# Altium PCB cheriot-test.PcbDoc (part 9 of 12)
Units mil, origin at the board's own origin, x right, y up, seen from the top; angles counter-clockwise.
Board outline 6629.92 x 3149.61 mil, 8 copper layers (Top Layer, Int1 (Sign), Int2 (GND), Int3 (Sign), Int4 (Sign), Int5 (PWR), Int6 (Sign), Bottom Layer), stack 60.424 mil thick; 496 components, 639 nets, 2898 pads, 1737 vias.
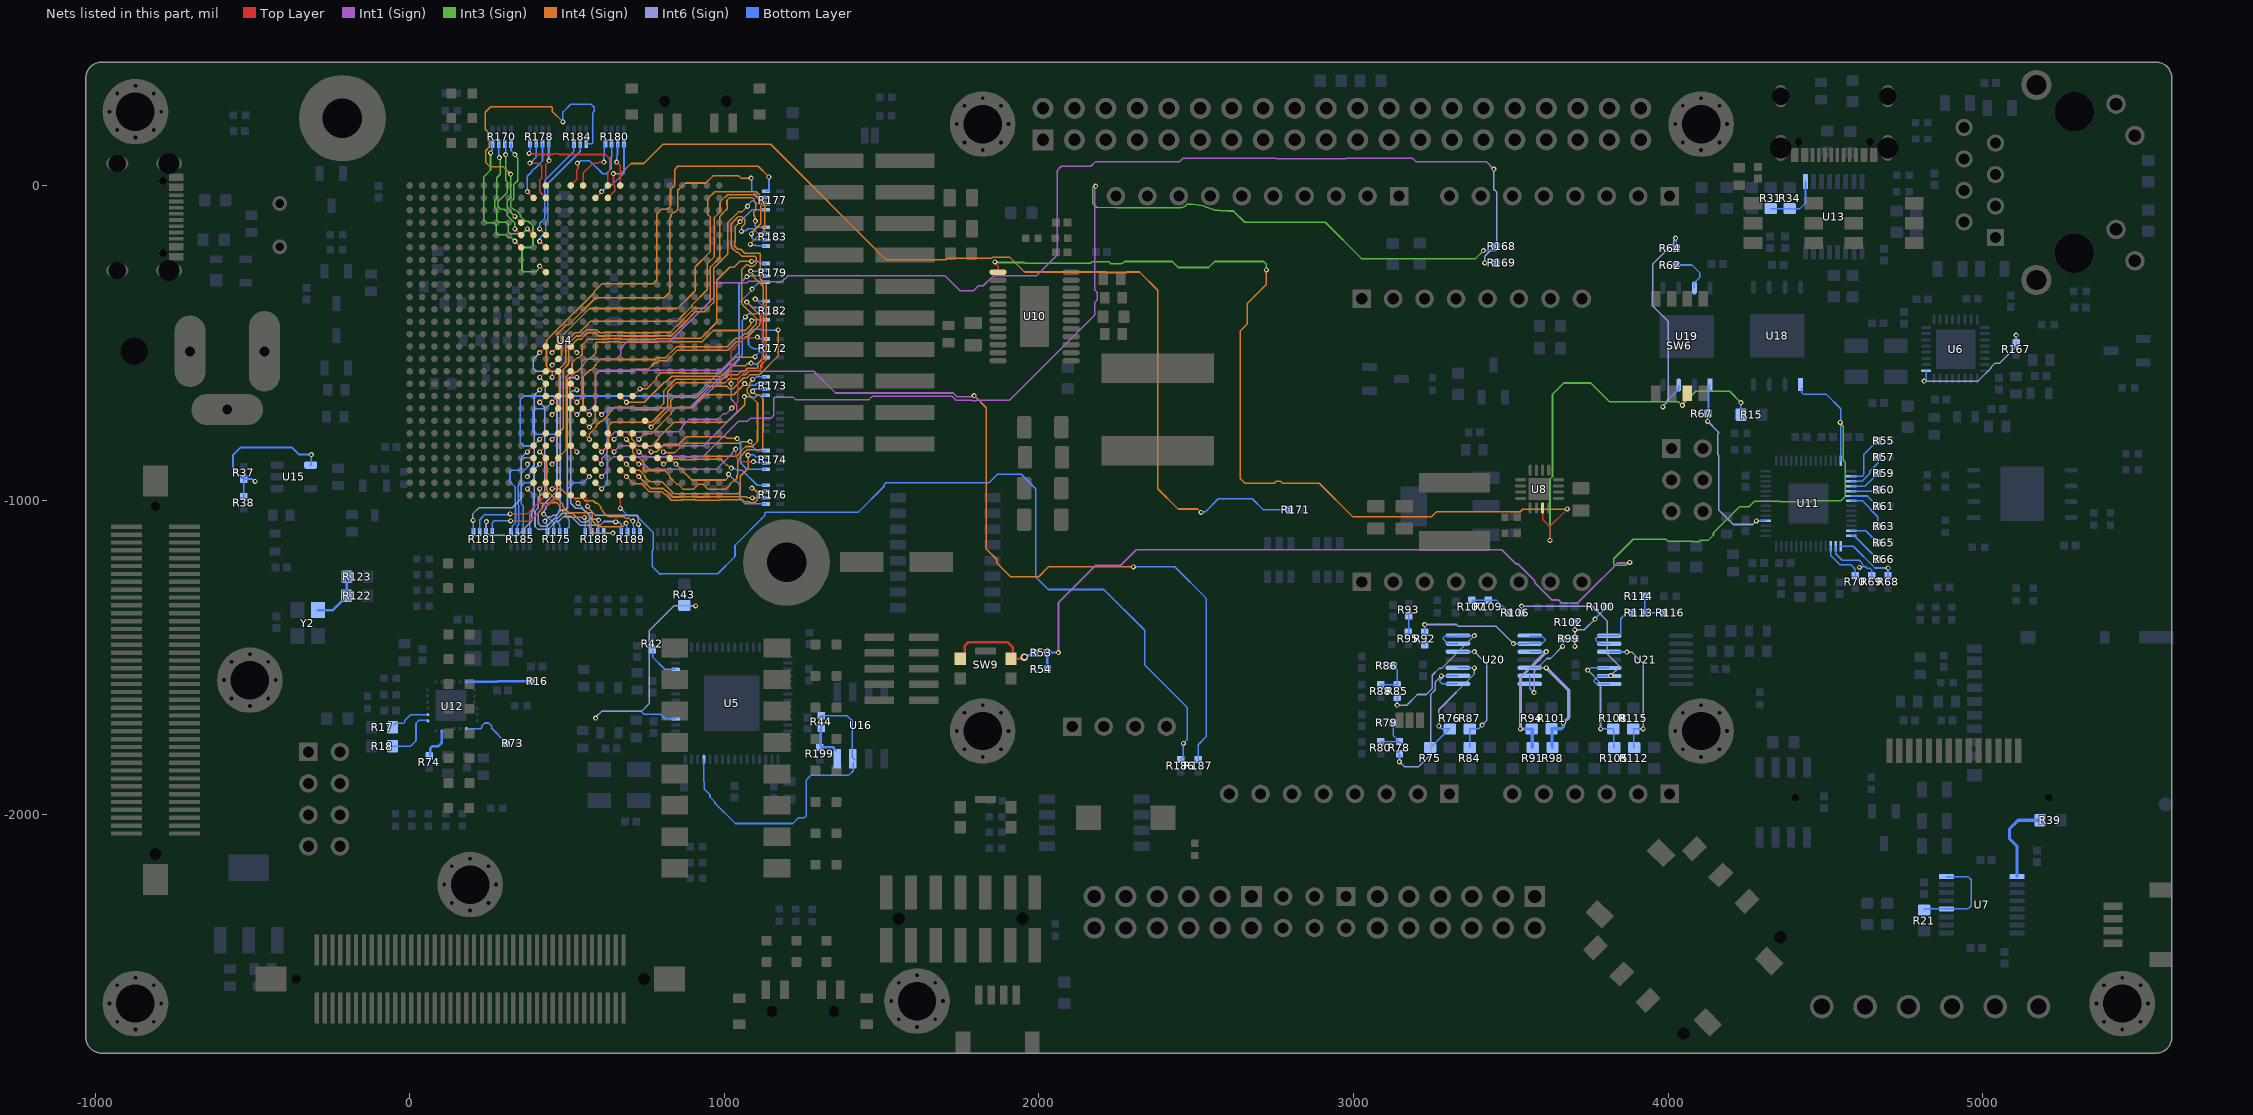
[diagram p15: the nets of this part, all layers, seen from the top]

## Via types
v1: diameter 16, hole 8, Top Layer to Bottom Layer, tented both sides, 1442 vias
v2: diameter 24, hole 12, Top Layer to Bottom Layer, tented both sides, 257 vias
v3: diameter 23.62, hole 11.81, Top Layer to Bottom Layer, tented both sides, 16 vias
v4: diameter 45, hole 20, Top Layer to Bottom Layer, 14 vias
v5: diameter 19.68, hole 8, Top Layer to Bottom Layer, 8 vias

## Nets (pads, with @x,y where several pads share a name; then routed paths per layer and width w, separated by ;. In a path a pad name is that pad's centre, name@x,y a point inside that pad or via, vN(x,y) a via of type N, cw(c..) or ccw(c..) an arc to the next point about the centre after c; other vN are vias at no path point) (continued)
NetR15_2: R15.2 SW6.3 U8.7 U10.1 | length 4155.7
  Top Layer w5: v1(1860,-243) 1860,-244.76 1870.08,-254.84 U10.1@1870.08,-275.59 ; U8.7@3600.83,-1024.96 3600.83,-1060.83 3624,-1084 ; 3624,-1110 3624,-1084 ; v1(3624.41,-1127.64) 3624.41,-1110 ; v1(3680,-1028) 3624,-1084 ; v1(4044.93,-698.49) 4044.93,-695.51 4048.52,-691.92 4048.52,-682.42 4051.02,-679.92 SW6.3@4060.98,-679.92
  Int3 (Sign) w5: v1(1860,-243) 1861.67,-244.67 1953.32,-244.67 1956.16,-247.5 2051.84,-247.5 2052.84,-246.5 2164.7,-246.5 2168.2,-243 2223.65,-243 2229.15,-248.5 2262.7,-248.5 2263.7,-247.5 2265.85,-247.5 2271.85,-241.5 2423.42,-241.5 2442.65,-260.73 2539.27,-260.73 2558.5,-241.5 2714.57,-241.5 2723,-249.93 v1(2723,-268) ; v1(3624.41,-1127.64) 3624.41,-933.24 3632.28,-925.36 3632.28,-663.72 3668,-628 ; 3668,-627.64 3753.7,-627.64 3814.06,-688 4033.5,-688 4043.98,-698.49 v1(4044.93,-698.49) ; v1@4044.93,-698 4044.93,-696.99 4087.6,-654.33 4195.39,-654.33 v1(4230.98,-689.92)
  Int4 (Sign) w5: v1(2723,-268) 2723,-313.92 2662,-374.92 2662,-440.58 2640,-462.58 2640,-931 2655,-946 2748.08,-946 2754.58,-939.5 2767.42,-939.5 2773.92,-946 2891,-946 2998.46,-1053.46 3246.82,-1053.46 3263.38,-1036.9 3530.12,-1036.9 3537.88,-1029.15 3671.15,-1029.15 3672,-1030 3678,-1030 v1(3680,-1028)
  Bottom Layer w5: v1(4230.98,-689.92) 4230.98,-727.6 R15.2@4231.81,-728.43
NetR16_1: R16.1 U12.24 | length 205.4
  Bottom Layer w8: U12.24@180.98,-1577.5 181.23,-1577.26 278.75,-1577.26 281.01,-1575 R16.1@385.32,-1575
NetR17_2: R17.2 U12.14 | length 124.4
  Bottom Layer w5: R17.2@-50,-1715 -44.37,-1709.37 -19.37,-1709.37 -15,-1705 -15,-1700 3.29,-1681.71 U12.14@57.66,-1681.71
NetR18_2: R18.2 U12.13 | length 175.6
  Bottom Layer w5: R18.2@-54.41,-1782.13 2.87,-1782.13 20,-1765 20,-1710 30,-1700 U12.13@55,-1700
NetR21_1: R21.1 U7.12 U7.16 | length 320.8
  Bottom Layer w5: R21.1@4813.39,-2302.83 4817.32,-2298.9 U7.12@4884.25,-2298.9 4953.15,-2298.9 4962.99,-2289.06 4962.99,-2206.38 4953.15,-2196.54 U7.16@4884.25,-2196.54
NetR31_2: R31.2 R34.2 U13.1 | length 185.7
  Bottom Layer w5: R31.2@4325.98,-73.39 R34.2@4385.98,-73.39 4411.71,-73.39 4418.67,-73.39 4436.42,-55.64 U13.1@4436.42,12.28
NetR37_2: R37.2 R38.1 U15.4 | length 486.7
  Bottom Layer w6: R38.1@-527.23,-988.6 R37.2@-527.23,-937 ; R37.2@-527,-937 -527,-933.71 R37.2@-527.23,-933.48 -561,-899.71 -561,-856 -538,-833 -373.2,-833 -350.96,-855.24 v1(-312.76,-855.24) -312.76,-886.41 U15.4@-314.87,-888.52 ; R37.2@-527,-933.48 -500.73,-933.48 -493.71,-940.5 v1(-491,-940.5)
NetR39_1: R39.1 U7.1 | length 269.2
  Bottom Layer w10: U7.1@5108.66,-2196.54 5108.66,-2100.08 5085.04,-2076.46 5085.04,-2044.96 5112.6,-2017.4 R39.1@5181.5,-2017.4
NetR42_1: R42.1 U5.14 | length 111.3
  Bottom Layer w5: R42.1@772,-1477 772,-1499 810.6,-1537.6 U5.14@845.35,-1537.6
NetR43_1: R43.1 U5.6 | length 913.9
  Int6 (Sign) w5: v1(591,-1693) 591,-1690.42 609.92,-1671.5 736.5,-1671.5 761,-1647 761,-1415 840,-1336 v1(909,-1336)
  Bottom Layer w5: v1(591,-1693) 591,-1690.42 609.92,-1671.5 735.69,-1671.5 744.44,-1680.25 797.58,-1680.25 812.4,-1695.08 U5.6@845.35,-1695.08 ; R43.1@873,-1334.46 874.54,-1336 907,-1336 v1@908,-1337
NetR44_1: R44.1 U5.61 U16.3 | length 1013
  Bottom Layer w5: U5.61@934.92,-1824.02 934.92,-1894.72 936.5,-1896.3 936.5,-1918.14 954.5,-1936.14 954.5,-1943.64 970.5,-1959.64 970.5,-1963.08 1035.24,-2027.82 1218.04,-2027.82 1236.86,-2009 1255.14,-2009 1261,-2003.14 1261,-1889 1275,-1875 1395,-1875 1410,-1860 U16.3@1410,-1835 ; R44.1@1308.66,-1685.34 1390.34,-1685.34 1406.63,-1701.63 1406.63,-1816.63 U16.3@1415,-1825
NetR44_2: R44.2 R199.2 U16.4 | length 111.6
  Bottom Layer w8: R44.2@1308.66,-1724.71 1306.08,-1727.28 1306.08,-1781.08 R199.2@1310,-1785 ; R199.2@1310,-1786.18 1346.18,-1786.18 U16.4@1355,-1795
NetR53_1: R53.1 R54.2 U11.56 U18.1 | length 3739.2
  Int1 (Sign) w6: v1(2062,-1485) 2062,-1326.85 2181.35,-1207.5 2260.35,-1207.5 2310.11,-1157.74 3470.46,-1157.74 3515.47,-1202.74 3521.88,-1202.74 3575.87,-1256.74 3575.87,-1262.88 3629.86,-1316.87 3650.25,-1316.87 3661.25,-1327.87 3710.72,-1327.87 3741.15,-1297.45 3741.53,-1297.45 3838.98,-1200 3875.65,-1200 v1(3877.88,-1197.76)
  Int3 (Sign) w5: v1@3878,-1197 3875.67,-1197 3865.67,-1207 3829.93,-1207 3827,-1204.07 3827,-1186.06 3889.06,-1124 3993,-1124 4000.39,-1131.39 4080.36,-1131.39 4080.9,-1131.93 4097.05,-1131.93 4101.99,-1127 4128,-1127 4144,-1111 4144,-1103.51 4226.48,-1021.03 4256.83,-1021.03 4274.93,-1002.93 4353.96,-1002.93 4356.49,-1005.46 4451.01,-1005.46 4454.47,-1002 4549,-1002 4563.48,-987.52 4563.48,-879.99 4556.56,-873.07 4556.56,-765.36 4547,-755.8 v1(4547,-753)
  Bottom Layer w5: U18.1@4423,-644 4424,-645 4424,-658.31 4428.69,-663 4502,-663 4548.35,-709.35 4548.35,-751.65 v1(4547,-753) ; U11.56@4548.35,-874.73 v1@4548.35,-753
  Bottom Layer w6: R53.1@2026.48,-1484.9 2061.9,-1484.9 v1(2062,-1485)
  Bottom Layer w8: R54.2@2025,-1542 2026.77,-1540.23 2026.77,-1485.2 R53.1@2026.48,-1484.9
NetR53_2: R53.2 SW9.1 SW9.2 | length 326.3
  Top Layer w8: SW9.1@1750,-1503.94 1763.72,-1490.22 1763.72,-1463.28 1776,-1451 1900,-1451 1917,-1468 1917,-1499 SW9.2@1916,-1500 ; SW9.2@1911.42,-1503.94 1949.06,-1503.94 v2(1954,-1499)
  Bottom Layer w8: v2@1955,-1498 1959.33,-1498 1964.62,-1492.71 1979.3,-1492.71 R53.2@1987.11,-1484.9
NetR55_2: R55.2 U11.2 | length 168.9
  Bottom Layer w5: U11.2@4581.81,-923.94 4616.96,-923.94 4620.98,-919.92 4620.98,-855.97 R55.2@4666.3,-810.65
NetR57_2: R57.2 U11.3 | length 131.9
  Bottom Layer w5: U11.3@4581.81,-939.69 4616.21,-939.69 4641.26,-914.65 4641.26,-907.48 4666.3,-882.44 R57.2@4666.3,-862.97
NetR59_2: R59.2 U11.4 | length 101.1
  Bottom Layer w5: U11.4@4581.81,-955.44 4626.15,-955.44 R59.2@4666.3,-915.29
NetR60_2: R60.2 U11.5 | length 85.7
  Bottom Layer w5: U11.5@4581.81,-971.19 4662.4,-971.19 R60.2@4665.98,-967.6
NetR61_2: R61.2 U11.6 | length 98.8
  Bottom Layer w5: U11.6@4581.81,-986.93 4634.56,-986.93 4634.56,-988.5 R61.2@4665.98,-1019.92
NetR62_2: R62.2 U19.7 | length 140.3
  Bottom Layer w5: R62.2@4025.67,-252.7 4075.48,-252.7 4100.98,-278.2 4100.98,-291.91 4083.51,-309.38 U19.7@4083.51,-325.37
NetR63_2: R63.2 U11.7 | length 136.9
  Bottom Layer w5: U11.7@4581.81,-1002.68 4618.75,-1002.68 4642.52,-1026.46 4642.52,-1029.3 4666.3,-1053.08 R63.2@4666.3,-1082.97
NetR64_2: R64.2 U19.3 | length 716.8
  Int6 (Sign) w5: v1(3983.48,-703.5) 3983.48,-700.97 3993.17,-691.27 3993.17,-687.74 4000.24,-680.67 4000.24,-432.17 3950.98,-382.92 3950.98,-249.8 4017.98,-182.8 4017.98,-175.7 4023.36,-170.32 v1(4023.36,-167.34)
  Bottom Layer w5: v1(3983.48,-703.5) 3983.48,-701.08 3993.23,-691.33 3993.23,-687.8 4033.51,-647.51 U19.3@4033.51,-634.47 ; v1(4023.36,-167.34) 4025.47,-169.45 4025.47,-180.33 4025.67,-180.53 R64.2@4025.67,-199.92
NetR65_2: R65.2 U11.13 | length 100.3
  Bottom Layer w5: U11.13@4581.81,-1097.17 4628.18,-1097.17 R65.2@4666.3,-1135.29
NetR66_2: R66.2 U11.14 | length 115.4
  Bottom Layer w5: U11.14@4581.81,-1112.92 4591.61,-1112.92 R66.2@4666.3,-1187.6
NetR67_1: R67.1 U11.32 U19.1 | length 590.3
  Int6 (Sign) w5: v1(4125.67,-749.67) 4159.9,-783.9 4159.9,-788.04 4157.26,-790.67 4157.26,-854.33 4160.98,-858.05 4160.98,-1031.6 4206.88,-1077.49 4268.61,-1077.49 v1(4280.43,-1065.68)
  Bottom Layer w5: v1(4125.67,-749.67) 4125.67,-742.71 R67.1@4125.67,-724.86 4128.28,-722.24 4128.28,-639.7 U19.1@4133.51,-634.47 ; v1(4280.43,-1065.68) U11.32@4310.16,-1065.68
NetR68_2: R68.2 U11.15 | length 204
  Bottom Layer w5: U11.15@4548.35,-1146.38 4588.13,-1146.38 4657.49,-1215.74 v1(4698.81,-1215.74) R68.2@4698.81,-1240.55
NetR69_2: R69.2 U11.16 | length 194.2
  Bottom Layer w5: U11.16@4532.6,-1146.38 4532.6,-1170.62 4553.2,-1191.22 4607.28,-1191.22 4615.84,-1199.77 4615.84,-1202.66 4622.3,-1209.12 ; v1(4607.78,-1213.92) 4609.89,-1211.82 4619.6,-1211.82 4622.3,-1209.12 ; 4626.5,-1213.33 4622.3,-1209.12 ; 4628.24,-1212.18 4632.09,-1216.03 4640.45,-1216.03 4646.49,-1222.07 R69.2@4646.49,-1239.92
NetR70_2: R70.2 U11.17 | length 146.9
  Bottom Layer w5: U11.17@4516.85,-1146.38 4516.85,-1176.12 4517.18,-1176.12 4546.98,-1205.92 4581.98,-1205.92 4592.28,-1216.22 4592.28,-1220.34 4594.18,-1222.23 R70.2@4594.18,-1240.55
NetR73_1: R73.1 U12.7 | length 165
  Bottom Layer w5: U12.7@180.98,-1726.29 226.21,-1726.29 229.5,-1723 229.5,-1717.58 238.58,-1708.5 251.42,-1708.5 260.5,-1717.58 260.5,-1725.19 301,-1765.69 R73.1@301,-1772
NetR74_1: R74.1 U12.11 | length 102.6
  Bottom Layer w8: R74.1@64,-1810 65.06,-1808.95 65.06,-1788.95 72,-1782 91,-1782 102.24,-1770.76 U12.11@102.24,-1734.36
NetR75_2: R75.2 R76.2 U20.3 | length 409.1
  Int6 (Sign) w5: v1(3270.98,-1717.92) 3270.98,-1665.92 3384.18,-1552.72 v1(3384.18,-1532.88)
  Bottom Layer w5: R75.2@3243.23,-1786.46 3245.2,-1786.46 R76.2@3304.33,-1727.33 ; v1(3270.98,-1717.92) 3280.39,-1727.33 R76.2@3304.33,-1727.33 ; R76.2@3306.3,-1727.33 R76.2@3304.33,-1727.33 ; U20.3@3331.81,-1532.88 v1(3384.18,-1532.88)
NetR78_1: R78.1 U20.1 U20.2 | length 547.9
  Int6 (Sign) w5: v1(3145.98,-1831.62) 3161.28,-1846.92 3206.98,-1846.92 3244.98,-1808.92 3244.98,-1618.06 3259.98,-1603.06 3259.98,-1577.93 v1(3279.44,-1558.47)
  Bottom Layer w5: v1(3145.98,-1831.62) R78.1@3145.98,-1806.81 ; v1(3279.44,-1558.47) v1@3287.4,-1558.47 ; U20.1@3331.81,-1584.06 3281.37,-1584.06 3273.66,-1576.35 3273.66,-1572.21 v1@3287.4,-1558.47 ; U20.2@3331.81,-1558.47 v1@3287.4,-1558.47
NetR78_2: R78.2 R79.1 R80.1 | length 122.1
  Bottom Layer w5: R80.1@3085.98,-1767.44 R78.2@3145.98,-1767.44 ; R79.1@3125.67,-1707.13 3125.67,-1747.13 R78.2@3141.33,-1762.79
NetR84_2: R84.2 R87.2 U20.5 | length 411.4
  Int6 (Sign) w5: v1(3384.18,-1481.7) 3422.98,-1520.5 3422.98,-1700.92 v1(3408.98,-1714.92)
  Bottom Layer w5: U20.5@3331.81,-1481.7 v1(3384.18,-1481.7) ; R84.2@3369.36,-1786.46 R87.2@3369.36,-1727.33 3396.58,-1727.33 v1(3408.98,-1714.92)
NetR85_1: R85.1 U20.6 U20.7 | length 545.5
  Int6 (Sign) w5: v1(3138.3,-1651.62) 3169.28,-1651.62 3202.98,-1617.92 3230.98,-1617.92 3249.98,-1598.92 3249.98,-1556.92 3271.98,-1534.92 3279.78,-1534.92 v1(3384.18,-1430.52)
  Bottom Layer w5: v1(3138.3,-1651.62) v1@3138.3,-1644.66 ; v1@3138.3,-1644.66 R85.1@3138.3,-1626.81 ; U20.6@3331.81,-1456.11 3299.79,-1456.11 3285.19,-1441.5 3285.19,-1437.36 3290.51,-1432.04 3330.29,-1432.04 U20.7@3331.81,-1430.52 v1(3384.18,-1430.52)
NetR85_2: R85.2 R86.1 R88.1 | length 117.9
  Bottom Layer w5: R88.1@3085.98,-1587.44 R85.2@3138.3,-1587.44 3138.3,-1539.76 R86.1@3125.67,-1527.13
NetR91_2: R91.2 R94.2 U20.10 | length 428.1
  Int6 (Sign) w10: v1(3530.58,-1727.33) 3530.58,-1563.65 v1(3612.53,-1481.7)
  Bottom Layer w5: U20.10@3560.16,-1481.7 v1(3612.53,-1481.7)
  Bottom Layer w10: v1(3530.58,-1727.33) R94.2@3566.3,-1727.33 3567.83,-1728.86 3567.83,-1784.92 R91.2@3569.36,-1786.46
NetR92_1: R92.1 U20.8 U20.9 | length 494.5
  Int6 (Sign) w5: v1(3225.98,-1395.43) 3327.49,-1395.43 3332.98,-1400.92 3452.6,-1400.92 v1(3507.79,-1456.11)
  Bottom Layer w5: R92.1@3225.98,-1420.24 v1(3225.98,-1395.43) ; v1(3507.79,-1456.11) U20.9@3560.16,-1456.11 3561.84,-1454.43 3600.97,-1454.43 3608.84,-1446.55 3608.84,-1442.41 3598.63,-1432.2 3561.84,-1432.2 U20.8@3560.16,-1430.52
NetR92_2: R92.2 R93.1 R95.1 | length 122
  Bottom Layer w5: R93.1@3176.12,-1367.92 3174.89,-1369.14 3174.89,-1419.01 R95.1@3173.67,-1420.24 3206.09,-1452.66 3219.04,-1452.66 R92.2@3225.98,-1459.61
NetR98_2: R98.2 R101.2 U20.12 | length 377.9
  Int6 (Sign) w10: v1(3612.53,-1532.88) 3683.98,-1604.34 3683.98,-1691.28 v1(3666.66,-1708.6)
  Bottom Layer w5: U20.12@3560.16,-1532.88 v1(3612.53,-1532.88)
  Bottom Layer w10: R98.2@3632.43,-1786.46 3630.9,-1784.92 3630.9,-1728.38 R101.2@3629.36,-1726.85 3660.8,-1726.85 3666.66,-1720.99 v1(3666.66,-1708.6)
NetR99_1: R99.1 U20.13 U20.14 | length 275.2
  Int6 (Sign) w5: v1(3573.98,-1611.92) 3573.98,-1543.92 3614.53,-1503.38 3625.78,-1503.38 v1(3664.43,-1464.73)
  Bottom Layer w5: U20.13@3560.16,-1558.47 U20.14@3560.16,-1584.06 3560.16,-1598.09 v1(3573.98,-1611.92) ; v1(3664.43,-1464.73) 3664.43,-1457.77 R99.1@3664.43,-1439.92
NetR99_2: R99.2 R100.1 R102.1 | length 235.1
  Int6 (Sign) w5: v1(3703.8,-1464.73) v1(3703.8,-1412.42) 3733.49,-1412.42 v1(3767.98,-1377.92)
  Bottom Layer w5: v1(3703.8,-1464.73) 3703.8,-1457.77 R99.2@3703.8,-1439.92 ; v1(3703.8,-1412.42) 3703.8,-1405.45 R102.1@3703.8,-1387.6 ; v1(3767.98,-1377.92) 3767.98,-1376.54 R100.1@3805.67,-1338.86
NetR105_2: R105.2 R108.2 U21.3 | length 376.6
  Int6 (Sign) w5: v1(3744.11,-1540.04) 3784.98,-1580.91 v1(3784.98,-1726.92)
  Bottom Layer w5: v1(3744.11,-1540.04) 3747.09,-1540.04 3753.77,-1533.36 U21.3@3812.56,-1533.36 ; v1(3784.98,-1726.92) 3785.39,-1727.33 R108.2@3825.98,-1727.33 3827.52,-1728.86 3827.52,-1784.92 R105.2@3829.05,-1786.46
NetR106_1: R106.1 U21.1 U21.2 | length 628.2
  Int6 (Sign) w5: v1(3533.98,-1336.92) 3758.98,-1336.92 3806.98,-1384.92 3806.98,-1489.55 3844.37,-1526.94 3844.37,-1531.08 3817.74,-1557.71 v1(3817.55,-1557.71)
  Bottom Layer w5: R106.1@3533.98,-1358.06 3533.98,-1340.22 v1(3533.98,-1336.92) ; U21.1@3812.56,-1584.54 3811.31,-1583.28 3770.99,-1583.28 3764.51,-1576.8 3764.51,-1572.66 3778.21,-1558.95 3816.31,-1558.95 v1(3817.55,-1557.71)
NetR106_2: R106.2 R107.1 R109.1 | length 134.9
  Bottom Layer w5: R107.1@3375.98,-1318.69 R109.1@3428.3,-1318.69 3455.24,-1318.69 R106.2@3494.61,-1358.06
NetR112_2: R112.2 R115.2 U21.5 | length 423.1
  Int6 (Sign) w5: v1(3868.47,-1483.1) 3884.16,-1483.1 3920.48,-1519.42 v1(3920.48,-1727.33)
  Bottom Layer w5: U21.5@3812.56,-1482.18 3813.02,-1482.64 3868.01,-1482.64 v1(3868.47,-1483.1) ; R112.2@3892.11,-1786.46 3890.58,-1784.92 3890.58,-1728.86 R115.2@3889.05,-1727.33 v1(3920.48,-1727.33)
NetR113_1: R113.1 U21.6 U21.7 | length 230.4
  Bottom Layer w5: U21.6@3812.56,-1456.59 3781.42,-1456.59 3769.42,-1444.59 3769.42,-1440.44 3778.86,-1431 3840.91,-1431 3848.98,-1422.92 3848.98,-1376.86 3867.3,-1358.54 R113.1@3886.61,-1358.54
NetR113_2: R113.2 R114.1 R116.1 | length 112.8
  Bottom Layer w5: R114.1@3925.67,-1306.22 3925.83,-1306.38 3925.83,-1358.38 R113.2@3925.98,-1358.54 R116.1@3986.3,-1358.54
NetR122_1: R122.1 R123.1 Y2.3 | length 158.2
  Bottom Layer w8: Y2.3@-291.52,-1349.66 -244.16,-1349.66 -209,-1314.5 R122.1@-209,-1311 ; R122.1@-200.46,-1304 -199.96,-1303.5 -199.96,-1247.96 R123.1@-199,-1247
NetR167_2: R167.2 U6.17 | length 437
  Int6 (Sign) w5: v1(4813.39,-621.73) 4985.1,-621.73 5027.51,-579.32 5027.51,-575.92 5038.93,-564.49 5042.34,-564.49 5042.52,-564.31 5053.52,-564.31 5105.98,-511.84 v1(5105.98,-475.43)
  Bottom Layer w5: v1(4813.39,-621.73) 4820.03,-615.09 U6.17@4820.03,-588.82 ; R167.2@5105.98,-500.24 v1(5105.98,-475.43)
NetR168_1: R168.1 U4.L24 | length 3711.6
  Top Layer w5: U4.L24@590.55,-905.51 v1(610.24,-925.2)
  Int1 (Sign) w5: v1(610.24,-925.2) 628.67,-906.76 628.67,-880.33 646.41,-862.59 931.49,-862.59 1044.08,-750 1073.07,-750 1083.17,-739.9 1148.1,-739.9 1157.5,-730.5 1157.5,-675.93 1160.93,-672.5 1218.42,-672.5 1226.42,-680.5 1459.96,-680.5 1470.96,-669.5 1723.42,-669.5 1735.92,-682 1786.08,-682 1787.58,-683.5 1800.42,-683.5 1801.92,-682 1907,-682 2178,-411 2178,-371.72 2185.5,-364.22 2185.5,-339.78 2178,-332.28 2178,-4 v1(2180,-2)
  Int3 (Sign) w5: v1@2173.46,-4.46 2171,-6.92 2171,-57.07 2183.43,-69.5 2243.83,-70.95 ccw(c2244.72,-33.94) 2244.72,-70.96 2444.72,-70.96 ccw(c2444.72,-33.94) 2471.03,-60 2473.1,-60 2489.26,-60 2521.23,-64.99 2532.62,-68.93 ccw(c2544.72,-33.94) 2533.25,-69.14 2556.53,-76.73 2557.51,-77.71 2558.3,-78.5 2571.92,-78.5 2575.95,-80.5 2603.86,-81 2618,-81 2654,-117 2910,-117 3025.42,-232.42 3387.58,-232.42 v1(3413,-207)
  Bottom Layer w5: v1(3413,-207) 3452.9,-207 3453.5,-207.6
NetR169_1: R169.1 U4.N18 | length 3935.4
  Top Layer w5: U4.N18@511.81,-669.29 v1(531.5,-688.98)
  Int1 (Sign) w5: v1(531.5,-688.98) 547,-673.48 547,-560.93 555.93,-552 657,-552 671.5,-537.5 671.5,-515.5 692,-495 827,-495 967,-355 967,-314 972.5,-308.5 1072.92,-308.5 1077.61,-303.81 1142.95,-303.81 1145.14,-306 1183,-306 1201.5,-287.5 1702.64,-287.5 1750.14,-335 1791.28,-335 1807.78,-318.5 1823.42,-318.5 1853.92,-288 1859,-288 ; 1859,-287.5 1991.5,-287.5 2058,-221 2058,48 2071,61 2164.58,61 2179.58,76 2447.44,76 2457.44,86 2478.56,86 2479.06,85.5 2479.56,86 2753.18,86 2753.68,85.5 2975.42,85.5 2975.92,86 3188.28,86 3198.28,76 3422,76 v1(3446,52)
  Int6 (Sign) w5: v1(3417,-246) 3417,-224.92 3455,-186.92 3455,-21 3446,-12 v1@3446,51
  Bottom Layer w5: v1(3417,-246) R169.1@3456.26,-246
NetR170_1A: R170.1A U4.R8 | length 577.8
  Top Layer w5: v1(413.39,-255.91) U4.R8@433.07,-275.59
  Int3 (Sign) w5: v1(334.65,98.43) 334.65,95.45 343.5,86.59 343.5,15.39 331,2.89 331,-42.08 320.78,-52.3 320.78,-66.42 330.86,-76.5 334.65,-76.5 352.17,-94.03 352.17,-98.5 367.6,-113.93 376.93,-113.93 392,-129 392,-189 384,-197 362,-197 357,-202 357,-271 359.93,-273.93 401.07,-273.93 v1@414,-261
  Bottom Layer w5: R170.1A@322.13,132.6 322.13,110.94 v1(334.65,98.43)
NetR170_2A: R170.2A U4.U5 | length 342.3
  Top Layer w5: v1(334.65,-137.8) U4.U5@354.33,-157.48
  Int3 (Sign) w5: v1(305.12,98.43) 305.12,16.95 310.78,11.3 310.78,-21.63 279.78,-52.63 279.78,-65.48 290.03,-75.73 300.52,-75.73 310.78,-85.98 310.78,-96.48 334.65,-120.35 v1@334.65,-136.65
  Bottom Layer w5: R170.2A@302.44,132.6 305.12,129.92 v1(305.12,98.43)
NetR170_3A: R170.3A U4.T5 | length 418.8
  Top Layer w8: v1(374.02,-137.8) U4.T5@393.7,-157.48
  Int3 (Sign) w5: v1@284.04,87 v1@287.54,83.5 ; v1@287.54,83.46 288,83 288,36 277,25 277,-41.27 269.78,-48.49 269.78,-69.62 277,-76.84 277,-111.07 282.93,-117 308,-117 314,-123 314,-147 321,-154 357.81,-154 v1(374.02,-137.8)
  Bottom Layer w5: R170.3A@282.76,132.6 282.76,91.26 v1(285.43,88.58)
NetR170_4A: R170.4A U4.U6 | length 423.9
  Top Layer w5: v1(334.65,-177.17) U4.U6@354.33,-196.85
  Int3 (Sign) w5: v1(257,104) 257,49 236,28 236,-110 244,-118 268,-118 275,-125 275,-152 278.02,-155.02 280,-157 306,-157 315.03,-166.03 323.51,-166.03 v1(334.65,-177.17)
  Bottom Layer w5: v1(257,104) 257,106.23 263.07,112.3 R170.4A@263.07,132.6
NetR171_1: R171.1 U4.K2 | length 3169.4
  Top Layer w5: U4.K2@629.92,-39.37 651.36,-17.93 651.36,-0.13 647.85,3.37 647.85,37.46 v1(647.58,37.74)
  Int4 (Sign) w5: v1(647.58,37.74) 671.38,37.74 703.64,70 744.22,70 805.22,131 1147.28,131 1514.28,-236 1704.42,-236 1708.92,-231.5 1849.58,-231.5 1853.58,-227.5 1906.87,-227.5 1954.37,-275 2214.23,-275 2215.73,-276.5 2278.27,-276.5 2279.77,-275 2320,-275 2378,-333 2378,-964 2442.19,-1028.19 2504.38,-1028.19 2515.17,-1038.98 v1(2515.5,-1038.98)
  Bottom Layer w5: v1(2515.5,-1038.98) 2517.6,-1036.88 2529.12,-1036.88 2570,-996 2678,-996 2712,-1030 R171.1@2796.32,-1030
NetR172_1A: R172.1A U4.J18 | length 533.1
  Top Layer w5: U4.J18@669.29,-669.29 v1(688.98,-688.98)
  Int4 (Sign) w5: v1(688.98,-688.98) 745.8,-688.98 809.04,-625.74 813.51,-625.74 833.24,-606 870.76,-606 871.12,-606.37 989.78,-606.37 995.14,-601 1000.14,-601 1028.64,-572.5 1067.45,-572.5 1073.35,-566.6 1083.35,-566.6 v1(1085.45,-564.5)
  Bottom Layer w5: v1(1085.45,-564.5) 1087.56,-566.6 1096.74,-566.6 1098.45,-568.32 1103.45,-568.32 1124.96,-546.81 R172.1A@1131.85,-546.81
NetR172_2A: R172.2A U4.H18 | length 487.8
  Top Layer w5: U4.H18@708.66,-669.29 v1(731.46,-646.49)
  Int4 (Sign) w5: v1(731.46,-646.49) 753.38,-646.49 783.22,-616.66 783.22,-610.78 798,-596 799.4,-596 800.67,-594.74 868.74,-594.74 870,-596 874.9,-596 875.26,-596.37 985.63,-596.37 1035.95,-546.05 1096.48,-546.05 v1(1097.93,-544.6)
  Bottom Layer w5: v1(1097.93,-544.6) 1097.93,-543.08 1111.56,-529.45 1129.53,-529.45 R172.2A@1131.85,-527.13
NetR172_3A: R172.3A U4.G20 | length 830.6
  Top Layer w5: U4.G20@748.03,-748.03 v1(767.72,-767.72)
  Int4 (Sign) w5: v1(767.72,-767.72) 830,-705.43 830,-683.51 840.26,-673.26 912.74,-673.26 948,-638 1008.08,-638 1015.58,-645.5 1028.42,-645.5 1037.5,-636.42 1037.5,-635.58 1062.08,-611 1072.08,-611 1082.08,-601 1112.28,-601 1171,-542.28 v1(1171,-458.85)
  Bottom Layer w5: R172.3A@1131.85,-507.44 1128.44,-510.85 1117.07,-510.85 1108.42,-519.5 1093.2,-519.5 1088.74,-515.05 1086.05,-515.05 1076.82,-505.82 1076.82,-470.18 1087,-460 1090.94,-460 1094.44,-456.5 1115.56,-456.5 1119.06,-460 1169.85,-460 v1(1171,-458.85)
NetR172_4A: R172.4A U4.K22 | length 803.6
  Top Layer w5: U4.K22@629.92,-826.77 v1(649.61,-846.46) ; v1(1022,-630) 1022,-526 1064,-484 1103,-484 v1(1105,-482)
  Int1 (Sign) w5: v1(649.61,-846.46) 667,-829.06 667,-827 934,-827 1022,-739 1022,-737.92 1039.16,-720.76 1039.16,-696.61 1022,-679.45 v1(1022,-630)